# Allegro board RK3588S_Template_LP5D315P232SD10H2_42x42_2750MHz_1R2_V10_20220413YWQ.brd (continued)
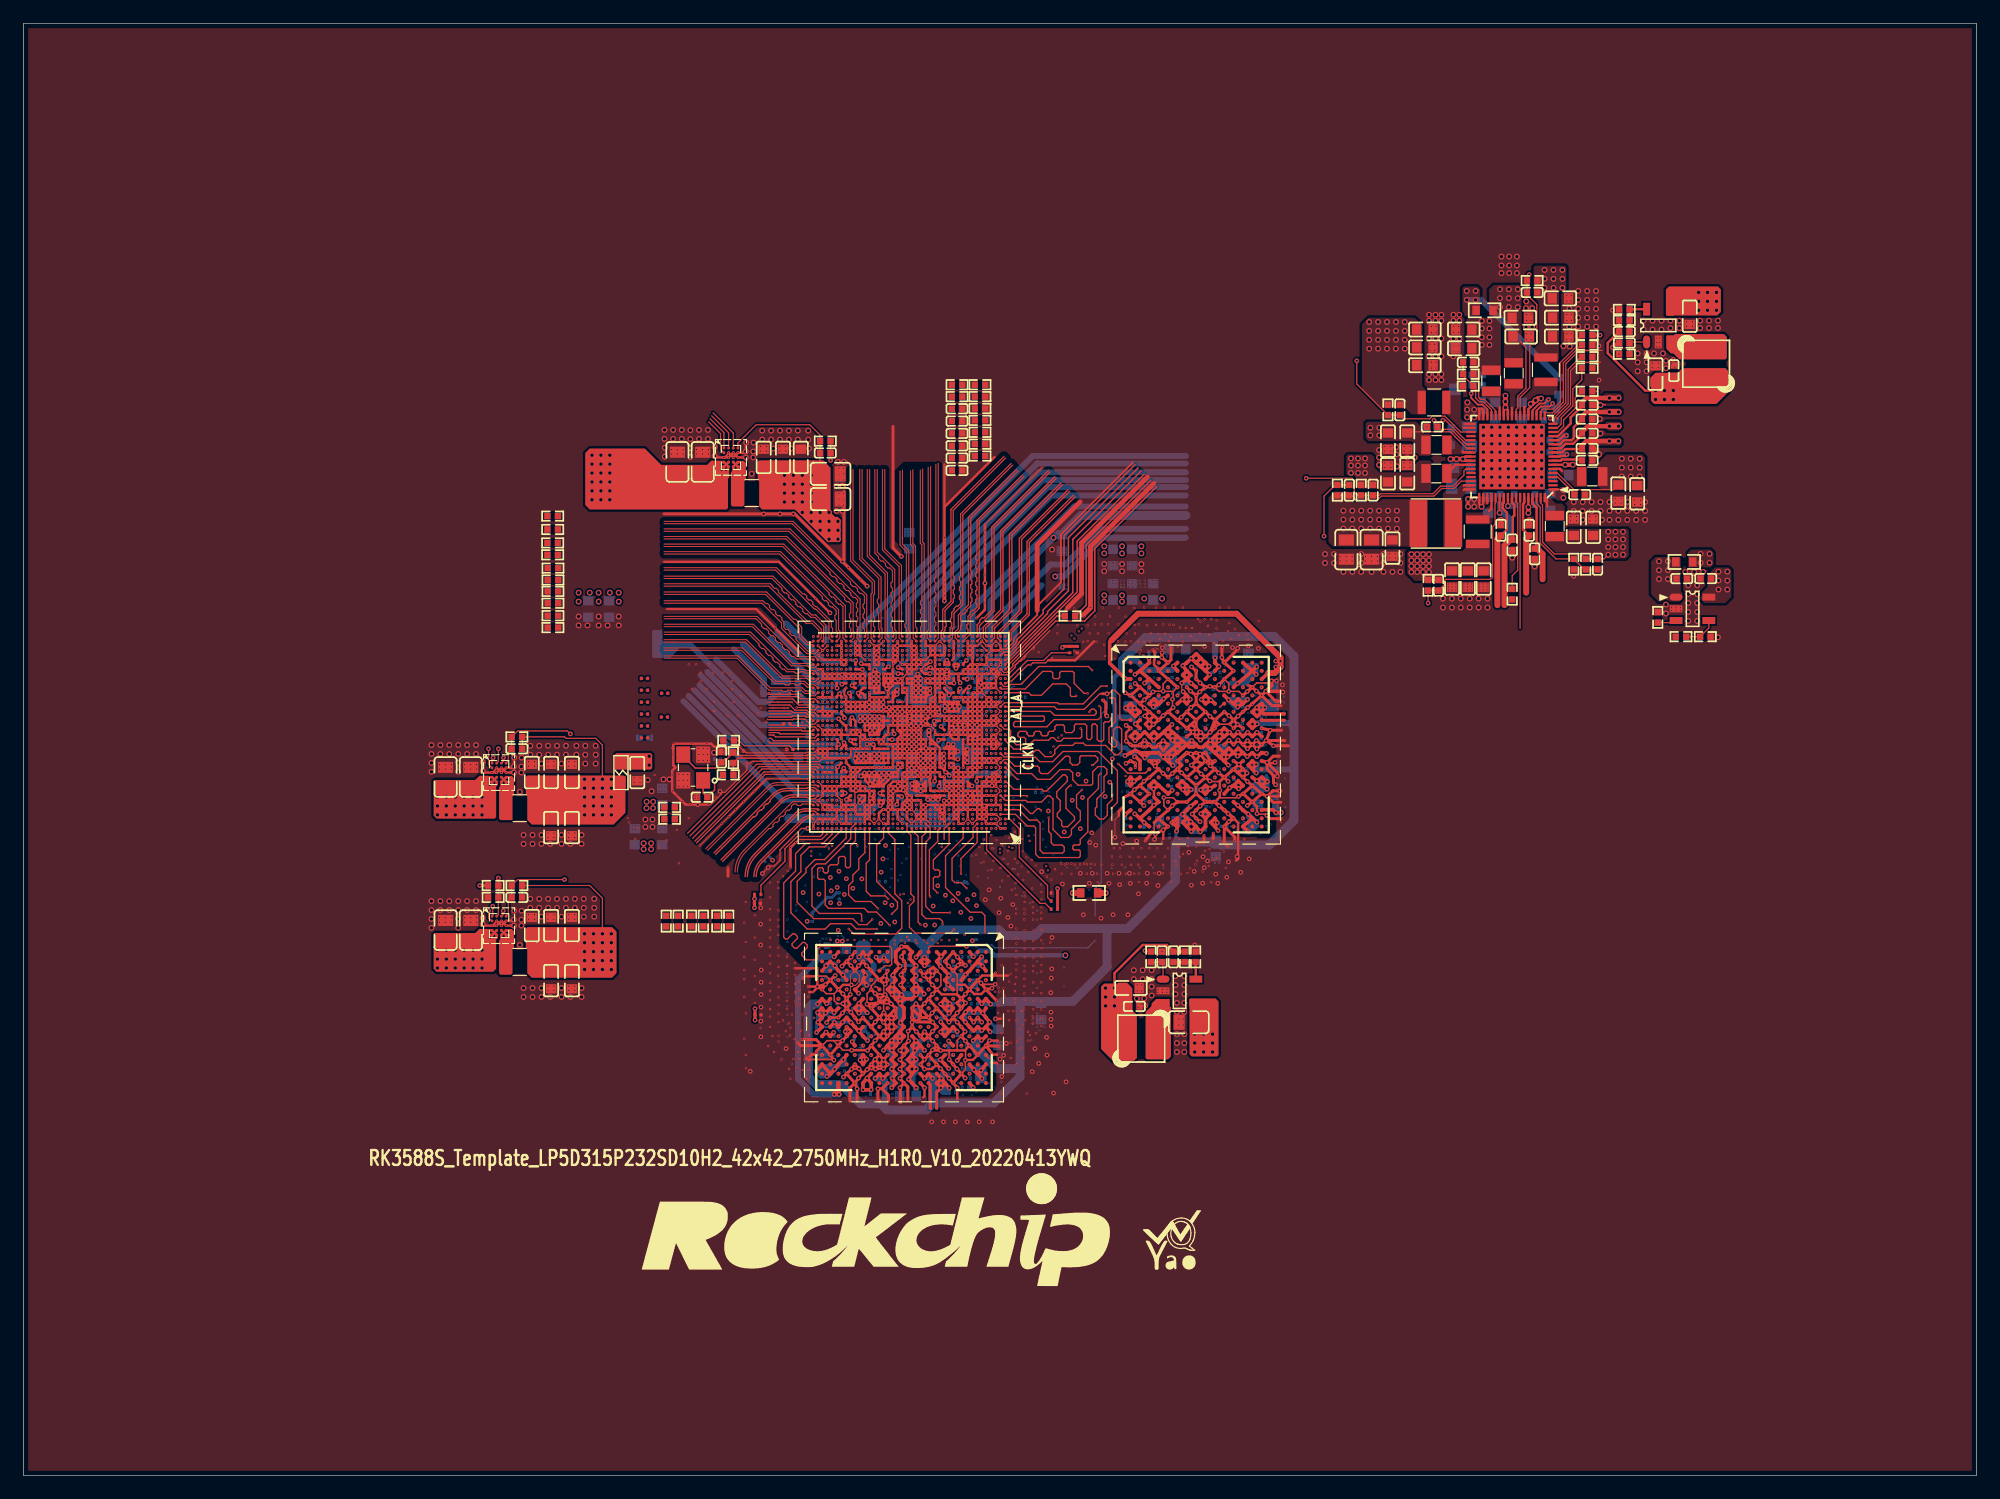
[diagram p0: board, top side]
## Routing (per net, layer and track width the routed paths; a pad name or vN(x,y) marks a point on that pad's centre or on a via; arc(x,y) is an arc through that point) (continued)
  BOTTOM w0.406: 93.29,62.66 93.16,62.79 93.16,64.65 93.24,64.73 93.24,65.83 93.19,65.88 93.19,68.2 93.73,68.73 93.73,69.47 93.9,69.65
  BOTTOM w0.508: 73.14,34 73.37,34 v1(73.43,33.94) ; v1(73.43,33.94) 73.59,33.78 73.59,31.44 ; v1(73.43,33.94) v1(72.79,33.94) ; 93.29,64.78 93.29,62.66 93.76,62.19 ; 93.29,64.78 93.24,64.73 ; 93.29,64.78 94.75,64.78 ; 105.49,64.3 108.14,64.3 108.54,63.9 ; 93.9,69.65 95.1,69.65 95.91,68.83 98.12,68.83 ; 105.4,60.33 108.51,60.33 108.54,60.37 ; 101.87,71.62 101.81,71.56 v1(101.81,69.89)
  BOTTOM w0.762: 92.6,46.74 92.6,43.46 89.65,40.51 87.12,40.51 ; 92.6,46.74 94.36,46.74 98.41,50.78 98.41,53.93 98.63,54.15 101.55,54.15 101.78,53.93 101.88,54.03 C3900.1 ; 92.6,46.74 87.01,46.74 86.42,46.14 83.83,46.14 83.34,46.63 78.51,46.63 77,45.12 ; 85.15,40.51 85.15,34.07 82.91,31.83 77.72,31.83 ; 85.15,40.51 87.12,40.51 ; 85.15,40.51 83.68,40.51 83.6,40.44 ; C3950.1 87.12,40.51 ; 77,45.12 76.17,45.95 74.82,45.95 74.34,45.47 74.34,44.75 73.85,44.26 v1(73.52,44.26) ; 77,45.12 v1(77,44.29) ; 77.72,31.83 77.13,31.24 73.79,31.24 73.27,31.76 71.54,31.76 69.95,33.35 69.77,33.35 69.72,33.41 67.76,33.41 67.07,34.1 67.07,35.68 67.07,35.69 67.07,36.25 67.07,36.25 67.07,37.2 67.04,37.24 67.04,39.92 67.42,40.3 v1(67.85,40.3) ; 77.72,31.83 77.67,31.89 77.67,33.92 v1(77.69,33.94) ; 93.9,69.65 95.87,71.62 101.87,71.62 101.95,71.7 106.86,71.7 108.54,70.02 108.54,55.97 106.46,53.88 102.31,53.88 102.08,54.1 ; 85.1,34.78 83.16,34.78 81.72,36.22 81.45,36.22
  vias: v2(92.46,41.66) v2(92.46,40.89) v2(92.46,40.13) v2(93.22,40.89) v2(93.22,40.13)
VDD_0V75_S3: length 25.1
  TOP w0.203: C2255.1 133.15,91.37 132.2,90.41 132.2,89.89 131.12,88.82 U2200.14 ; U1000.AJ37 69.49,66.57 v1(69.72,66.8) 69.72,66.75 69.89,66.58 U1000.AJ36
  TOP w0.381: v2(136.29,92.08) v2(135.51,92.08) 133.53,92.08 133.15,91.69 C2255.1
  L8-S3 w0.279: 69.03,66.84 69.68,66.84 v1(69.72,66.8)
  L8-S3 w0.305: 68.61,66.42 69.03,66.84
  L8-S3 w0.508: 68.61,66.42 65.15,66.42 57.57,74
  BOTTOM w0.254: 69.27,66.34 v1(69.72,66.8) 69.93,67.01
  BOTTOM w0.279: C1125.1 69.27,66.34 ; 69.93,67.01 C1105.1
VDD_CPU_BIG0_S0: length 90.1
  TOP w0.102: v1(46.23,50.93) 42.22,50.93 R2300.2 C2306.2 41.43,49.12 41.43,47.98 U2300.A4 ; C2306.1 R2300.1 48.39,50.42 49.47,49.34 v2(49.47,46.29)
  TOP w0.203: U1000.M30 72.29,59.03 ; U1000.M30 72.29,60.01 v1(72.27,60.04) ; U1000.M30 71.93,59.7 ; U1000.M30 U1000.M29 ; 72.29,59.03 U1000.K30 U1000.K29 ; 72.29,59.03 v1(72.35,59.09) ; U1000.M28 73.09,58.94 ; U1000.M28 72.74,59.7 ; U1000.M28 73.09,59.98 73.06,60.01 ; U1000.M28 73.15,59.64 v1(73.46,59.64) ; 73.09,58.94 v1(72.8,59.23) ; 73.09,58.94 U1000.K28 ; v1(74.73,60.53) 74.73,60.13 v3(74.7,60.1) 73.89,60.1 ; v1(74.73,60.53) 74.69,60.56 U1000.R24 U1000.R23 U1000.P23 ; v1(74.73,60.53) 74.75,60.5 U1000.P23 ; v1(71.86,60.04) 71.82,60.04 v1(71.55,59.77) 71.62,59.7 71.89,59.7 ; v1(71.86,60.04) v1(72.27,60.04) ; v1(71.86,60.04) 71.89,60.01 71.89,59.7 ; v1(72.27,60.04) 72.28,60.05 v1(72.69,60.05) ; v1(72.27,60.04) 71.93,59.7 ; 72.69,59.12 v1(72.8,59.23) ; 72.69,59.12 U1000.M29 ; 72.69,59.12 U1000.K29 ; v1(72.8,59.23) 73.17,59.23 ; v1(72.8,59.23) 72.49,59.23 v1(72.35,59.09) ; U1000.M29 72.69,59.7 v1(72.69,60.05) ; U1000.M29 72.74,59.7 ; U1000.P23 75.09,60.5 v3(75.06,60.5) ; v1(72.35,59.09) 72.23,59.09 71.93,59.39 71.93,59.7 ; 71.89,59.7 71.93,59.7 ; 73.06,60.01 72.74,59.7 ; 73.06,60.01 73.09,60.01 v1(73.13,60.05) ; v1(72.69,60.05) v1(73.13,60.05) ; v1(73.46,59.64) v1(73.9,59.64) ; v1(73.46,59.64) 73.53,59.72 v1(73.53,60.05) ; v1(73.46,59.64) 73.46,59.43 73.25,59.23 73.17,59.23 ; v1(73.13,60.05) v1(73.53,60.05) ; U1000.N25 U1000.N24 U1000.M24 U1000.M25 ; U1000.N25 U1000.M25 ; U1000.N25 73.89,60.1 ; 73.89,60.1 73.93,60.06 ; U1000.M25 74.1,59.7 74.04,59.64 v1(73.9,59.64) ; U1000.K27 73.17,59.23 ; U1000.K27 73.49,59.01 73.9,59.42 v1(73.9,59.64) ; U1000.K27 U1000.K28 ; 73.93,60.06 v1(73.95,60.06) 73.9,60.01 v1(73.9,59.64) ; 73.93,60.06 73.54,60.06 v1(73.53,60.05) ; U1000.K29 U1000.K28
  L2-GND1 w0.254: v3(74.7,60.1) 74.73,60.13 v1(74.73,60.53) 74.75,60.5 v3(75.06,60.5)
  L2-GND1 w0.305: v1(73.53,60.05) 73.46,59.97 v1(73.46,59.64) v1(73.9,59.64) 73.95,59.69 v1(73.95,60.06) 73.94,60.05 v1(73.53,60.05) ; v1(73.53,60.05) v1(73.13,60.05) v1(72.69,60.05) 72.69,60.04 v1(72.27,60.04) v1(71.86,60.04) 71.82,60.04 v1(71.55,59.77)
  L3-S1 w0.203: v3(75.06,60.5) 75.06,60.17 v4(75.03,60.15) 74.98,60.1 v3(74.7,60.1) 74.7,60.5 v1(74.73,60.53) 75.03,60.53 v3(75.06,60.5)
  L3-S1 w0.305: v1(73.95,60.06) 73.54,60.06 v1(73.53,60.05) ; v1(73.53,60.05) v1(73.13,60.05) v1(72.69,60.05) 72.28,60.05 v1(72.27,60.04) v1(71.86,60.04) 71.59,59.77 v1(71.55,59.77) ; v1(73.53,60.05) 73.53,59.72 v1(73.46,59.64) v1(73.9,59.64) ; v1(72.8,59.23) 72.67,59.09 v1(72.35,59.09)
  L5-POWER2 w0.102: v1(46.23,50.93) 46.23,51.41 49.27,54.45 54.12,54.45 56.65,56.98 60.94,56.98 64.19,60.22 69.06,60.22 69.47,59.82 ; v1(73.95,60.06) 73.93,60.06 73.91,60.07 73.56,60.07 v1(73.53,60.05)
  L6-S2 w0.203: v1(73.95,60.06) 74.26,60.06 v1(74.73,60.53)
  L8-S3 w0.305: v1(73.53,60.05) 73.46,59.97 v1(73.46,59.64) v1(73.9,59.64) 73.95,59.69 v1(73.95,60.06) 73.93,60.04 v1(72.27,60.04) v1(71.86,60.04) 71.59,59.77 v1(71.55,59.77) ; v4(75.03,60.15) 75.03,60.22 v1(74.73,60.53)
  L9-GND3 w0.305: v1(73.53,60.05) 73.46,59.97 v1(73.46,59.64) v1(73.9,59.64) 73.95,59.69 v1(73.95,60.06) 73.93,60.04 v1(72.27,60.04) v1(71.86,60.04) 71.59,59.77 v1(71.55,59.77) ; v1(72.8,59.23) 72.67,59.09 v1(72.35,59.09)
  BOTTOM w0.102: v1(72.69,60.05) 72.36,59.71 71.88,59.71
  BOTTOM w0.203: v1(74.73,60.53) 74.73,60.14 74.59,59.99
  BOTTOM w0.305: v1(73.95,60.06) 73.98,60.03 74,60.03 74.04,59.99 74.46,59.99
  vias: v2(47.94,46.29) v2(47.94,45.53) v2(47.94,44.77) v2(47.94,44.01) v2(47.94,43.24) v2(48.71,46.29) v2(48.71,45.53) v2(48.71,44.77) v2(48.71,44.01) v2(48.71,43.24) v2(49.47,45.53) v2(49.47,44.77) v2(49.47,44.01) v2(49.47,43.24) v2(50.23,46.29) v2(50.23,45.53) v2(50.23,44.77) v2(50.23,44.01) v2(50.23,43.24) v2(53,54.03) v2(53,53.52) v2(53.63,54.03) v2(53.63,53.52)
VDD_CPU_BIG1_MEM_S0: length 3.6
  TOP w0.203: U1000.V26 U1000.V27 U1000.V28 U1000.V29 72.69,62.39 v1(72.62,62.46) 72.58,62.5 v1(72.09,62.5)
  L2-GND1 w0.305: v1(72.62,62.46) 72.58,62.5 v1(72.09,62.5)
  L3-S1 w0.305: v1(72.62,62.46) 72.58,62.5 v1(72.09,62.5)
  L8-S3 w0.203: v5(59.56,61.21) v4(59.94,61.21)
  vias: v2(53.47,61.47) v2(53.47,60.71)
VDD_CPU_BIG1_S0: length 89.4
  TOP w0.102: v2(49.47,59.5) 49.47,62.42 48.89,62.99 46.35,62.99 46.23,63.12 42.61,63.12 C2310.1 ; U2301.A4 41.43,61.06 41.43,61.82 C2310.2 R2301.2 42.22,63.63 46.48,63.63 v1(46.74,63.37)
  TOP w0.203: U1000.R31 U1000.R32 ; U1000.R31 U1000.R30 ; U1000.R31 71.98,60.99 v1(71.98,61.26) ; U1000.R32 71.58,60.99 v1(71.58,61.26) ; U1000.R32 U1000.R33 ; U1000.R33 71.2,61 71.2,61.26 ; U1000.R33 71.09,61.15 71.07,61.18 71.07,61.23 ; v1(73.13,61.67) 73.13,61.67 73.16,61.7 73.48,61.7 ; v1(73.13,61.67) 73.13,61.29 ; v1(73.13,61.67) v1(72.69,61.67) ; U1000.R30 72.34,60.95 72.34,61.26 ; U1000.R30 U1000.R29 ; 73.48,61.7 U1000.U26 U1000.T26 ; 73.48,61.7 73.48,61.3 ; v1(71.58,61.26) 71.58,61.27 v1(71.58,61.67) ; v1(71.58,61.26) 71.2,61.26 ; v1(71.58,61.26) 71.58,61.26 v1(71.98,61.26) ; v1(71.98,61.26) 71.99,61.26 ; 73.13,61.29 v1(73.1,61.26) ; 73.13,61.29 73.14,61.3 73.48,61.3 ; 73.48,61.3 73.49,61.29 U1000.R27 ; 73.48,61.3 U1000.T26 ; v1(71.99,61.66) 71.99,61.26 ; v1(71.99,61.66) 71.59,61.66 v1(71.58,61.67) ; v1(71.99,61.66) 72.34,61.66 ; 71.99,61.26 71.99,61.26 72.34,61.26 ; 71.2,61.67 v1(71.58,61.67) ; 71.2,61.67 71.2,61.26 ; 71.2,61.67 71.17,61.64 71.17,61.62 71.07,61.52 71.07,61.23 71.07,61.23 ; v1(72.69,61.67) 72.69,61.66 72.34,61.66 ; v1(72.69,61.67) v1(72.69,61.26) ; U1000.R29 U1000.R28 ; U1000.R29 72.69,60.9 v1(72.69,61.26) ; 72.34,61.26 v1(72.69,61.26) ; 72.34,61.26 72.34,61.66 ; 71.2,61.26 71.11,61.26 71.07,61.23 ; U1000.R28 U1000.R27 ; U1000.R28 73.1,60.91 v1(73.1,61.26) ; U1000.R27 U1000.R26 U1000.T26 ; v1(72.69,61.26) v1(73.1,61.26)
  L2-GND1 w0.305: v1(71.58,61.26) v1(71.07,61.26) 71.17,61.37 v1(71.17,61.67) v1(71.58,61.67) ; v1(71.58,61.26) 71.58,61.27 v1(71.58,61.67) ; v1(71.58,61.26) 71.98,61.26 v1(71.98,61.26) 71.99,61.26 v1(71.99,61.66) 71.59,61.66 v1(71.58,61.67) ; v1(73.1,61.26) v1(72.69,61.26) v1(72.69,61.67) v1(73.13,61.67) 73.13,61.29 v1(73.1,61.26)
  L3-S1 w0.305: v1(71.58,61.26) 71.58,61.66 v1(71.58,61.67) ; v1(71.58,61.26) v1(71.07,61.26) 71.07,61.57 v1(71.17,61.67) v1(71.58,61.67) ; v1(71.58,61.26) 71.98,61.26 v1(71.98,61.26) 71.99,61.26 v1(71.99,61.66) 71.59,61.66 v1(71.58,61.67) ; v1(73.13,61.67) v1(72.69,61.67) v1(72.69,61.26) v1(73.1,61.26) 73.13,61.29 v1(73.13,61.67)
  L5-POWER2 w0.102: v1(46.74,63.37) 46.76,63.35 46.76,56.49 48.59,54.66 54.04,54.66 57.06,57.68 57.89,57.68 58.24,57.33 61,57.33 64.1,60.43 68.83,60.43 69.63,61.23 71.07,61.23
  L6-S2 w0.305: v1(72.69,61.67) v1(73.13,61.67) 73.13,61.29 v1(73.1,61.26) v1(72.69,61.26) ; v1(72.69,61.67) 72.69,61.66 v1(71.99,61.66) ; v1(72.69,61.67) v1(72.69,61.26) ; v1(71.99,61.66) 71.98,61.67 v1(71.58,61.67) ; v1(71.99,61.66) 71.99,61.26 ; 71.99,61.26 v1(71.98,61.26) 71.58,61.26 v1(71.58,61.26) ; 71.99,61.26 71.99,61.26 v1(72.69,61.26) ; v1(71.58,61.26) v1(71.07,61.26) 71.17,61.37 v1(71.17,61.67) v1(71.58,61.67) ; v1(71.58,61.26) 71.58,61.27 v1(71.58,61.67)
  L9-GND3 w0.305: v1(71.58,61.67) v1(71.17,61.67) 71.17,61.37 v1(71.07,61.26) v1(71.58,61.26) ; v1(71.58,61.67) 71.58,61.27 v1(71.58,61.26) ; v1(71.58,61.67) 71.98,61.67 v1(71.99,61.66) 71.99,61.26 v1(71.98,61.26) 71.98,61.26 v1(71.58,61.26) ; v1(72.69,61.26) v1(73.1,61.26) 73.1,61.64 v1(73.13,61.67) v1(72.69,61.67) v1(72.69,61.26)
  vias: v2(47.94,59.5) v2(47.94,58.74) v2(47.94,57.98) v2(47.94,57.21) v2(47.94,56.45) v2(48.71,59.5) v2(48.71,58.74) v2(48.71,57.98) v2(48.71,57.21) v2(48.71,56.45) v2(49.47,58.74) v2(49.47,57.98) v2(49.47,57.21) v2(49.47,56.45) v2(50.23,59.5) v2(50.23,58.74) v2(50.23,57.98) v2(50.23,57.21) v2(50.23,56.45) v2(53.23,57.03) v2(53.25,57.58) v2(53.81,57.58) v2(53.79,57.03) v5(67.06,61.59) v5(67.06,61.34) v5(67.06,61.09) v5(67.31,61.59) v5(67.31,61.34) v5(67.31,61.09) v5(67.56,61.59) v5(67.56,61.34) v5(67.56,61.09) v5(67.82,61.34) v5(67.82,61.09)
VDD_CPU_LIT_S0: length 142.8
  TOP w0.102: U2200.37 122.8,89.17 121.44,90.52 120.38,90.52 120.15,90.3 117.92,90.3 C2221.2 R2219.1 113.92,93.28 v1(113.92,95.25)
  TOP w0.203: v1(72.32,64.46) 72.29,64.43 U1000.AC30 ; v1(72.32,64.46) v1(72.73,64.46) ; v1(72.32,64.46) v1(72.32,64.86) ; v1(72.32,64.46) v1(71.91,64.46) ; v1(72.34,63.67) 71.92,63.67 U1000.AB31 U1000.AC31 ; v1(72.34,63.67) 72.29,63.72 U1000.AC30 ; v1(72.34,63.67) v1(72.75,63.67) ; v1(72.34,63.67) 72.29,63.62 U1000.AA30 U1000.AA29 ; U1000.AD26 U1000.AD27 ; U1000.AD27 73.17,64.5 v1(73.13,64.46) ; U1000.AD27 U1000.AC27 ; U1000.AD27 U1000.AE27 73.17,64.9 v1(73.13,64.86) ; 73.09,63.32 v1(72.75,63.67) ; 73.09,63.32 U1000.AA28 U1000.AA29 ; 73.09,63.32 U1000.AC28 ; v1(72.75,63.67) 72.69,63.62 U1000.AA29 ; v1(72.75,63.67) 73.2,63.67 73.49,63.97 U1000.AC27 ; v1(72.75,63.67) 72.69,63.72 U1000.AC29 ; v1(73.13,64.46) v1(72.73,64.46) ; v1(73.13,64.46) 73.09,64.42 U1000.AC28 ; v1(73.13,64.46) v1(73.13,64.86) ; U1000.AC31 71.89,64.44 v1(71.91,64.46) ; U1000.AC31 U1000.AC30 ; U1000.AC29 72.69,64.42 v1(72.73,64.46) ; U1000.AC29 U1000.AC30 ; U1000.AC29 U1000.AC28 ; v1(72.32,64.86) v1(71.91,64.86) ; v1(72.32,64.86) v1(72.73,64.86) ; v1(71.91,64.86) v1(71.51,64.86) v1(71.51,64.46) v1(71.91,64.46) ; v1(71.91,64.86) v1(71.91,64.46) ; v1(72.73,64.86) v1(72.73,64.46) ; v1(72.73,64.86) v1(73.13,64.86) ; U1000.AC27 U1000.AC28
  L2-GND1 w0.305: v1(72.73,64.46) v1(73.13,64.46) v1(73.13,64.86) v1(72.73,64.86) ; v1(72.73,64.46) v1(72.32,64.46) ; v1(72.73,64.46) v1(72.73,64.86) ; v1(72.32,64.86) v1(72.32,64.46) ; v1(72.32,64.86) v1(71.91,64.86) ; v1(72.32,64.86) v1(72.73,64.86) ; v1(72.32,64.46) v1(71.91,64.46) ; v1(71.91,64.86) v1(71.51,64.86) v1(71.51,64.46) v1(71.91,64.46) ; v1(71.91,64.86) v1(71.91,64.46)
  L3-S1 w0.305: v1(72.73,64.86) v1(73.13,64.86) v1(73.13,64.46) v1(72.73,64.46) ; v1(72.73,64.86) v1(72.32,64.86) ; v1(72.73,64.86) v1(72.73,64.46) ; v1(72.73,64.46) v1(72.32,64.46) ; v1(71.91,64.46) v1(71.51,64.46) v1(71.51,64.86) v1(71.91,64.86) ; v1(71.91,64.46) v1(71.91,64.86) ; v1(71.91,64.46) v1(72.32,64.46) ; v1(71.91,64.86) v1(72.32,64.86) ; v1(72.32,64.86) v1(72.32,64.46)
  L4-POWER1 w0.305: v1(72.32,64.86) v1(72.73,64.86) ; v1(72.32,64.86) v1(72.32,64.46) ; v1(72.32,64.86) v1(71.91,64.86) ; v1(72.73,64.86) v1(73.13,64.86) v1(73.13,64.46) v1(72.73,64.46) ; v1(72.73,64.86) v1(72.73,64.46) ; v1(72.32,64.46) v1(71.91,64.46) ; v1(72.32,64.46) v1(72.73,64.46) ; v1(71.91,64.86) v1(71.51,64.86) v1(71.51,64.46) v1(71.91,64.46) ; v1(71.91,64.86) v1(71.91,64.46)
  L5-POWER2 w0.102: v1(113.92,95.25) 74.68,95.25 70.36,90.93 70.36,88.77 68.28,86.69 64.34,86.69 59.69,82.04 59.69,72.74 65.42,67.01 68.25,67.01 69.29,65.96 70.31,65.96 71.41,64.86 v1(71.51,64.86)
  L8-S3 w0.305: v1(71.91,64.46) v1(72.32,64.46) ; v1(71.91,64.46) v1(71.51,64.46) v1(71.51,64.86) v1(71.91,64.86) ; v1(71.91,64.46) v1(71.91,64.86) ; v1(72.32,64.46) v1(72.32,64.86) ; v1(72.32,64.46) v1(72.73,64.46) ; v1(71.91,64.86) v1(72.32,64.86) ; v1(72.32,64.86) v1(72.73,64.86) ; v1(72.73,64.46) v1(73.13,64.46) v1(73.13,64.86) v1(72.73,64.86) ; v1(72.73,64.46) v1(72.73,64.86)
  L9-GND3 w0.305: v1(72.32,64.86) v1(72.32,64.46) ; v1(72.32,64.86) v1(72.73,64.86) ; v1(72.32,64.86) v1(71.91,64.86) ; v1(72.32,64.46) v1(71.91,64.46) ; v1(72.32,64.46) v1(72.73,64.46) ; v1(72.73,64.46) v1(73.13,64.46) v1(73.13,64.86) v1(72.73,64.86) ; v1(72.73,64.46) v1(72.73,64.86) ; v1(71.91,64.86) v1(71.91,64.46) ; v1(71.91,64.86) v1(71.51,64.86) v1(71.51,64.46) v1(71.91,64.46)
  BOTTOM w0.305: 71.71,65.1 71.71,65.07 v1(71.91,64.86) ; 72.31,63.98 72.31,63.71 v1(72.34,63.67) v1(72.75,63.67)
  vias: v2(47.43,75.44) v2(47.43,74.68) v2(48.39,75.44) v2(49.15,75.44) v2(49.15,74.68) v2(50.1,75.44) v2(50.86,75.44) v2(50.86,74.68) v2(114.98,98.57) v2(114.98,97.81) v2(114.98,97.05) v2(114.98,96.28) v2(115.74,98.57) v2(115.74,97.81) v2(115.74,97.05) v2(115.74,96.28) v2(116.5,98.57) v2(116.5,97.81) v2(116.5,97.05) v2(116.5,96.28) v2(117.26,98.57) v2(117.26,97.81) v2(117.26,97.05) v2(117.26,96.28) v2(118.03,98.57) v2(118.03,97.81) v2(118.03,97.05) v2(118.03,96.28)
VDD_DDR_S0: length 112.7
  TOP w0.102: U2200.46 123.24,86.02 123.08,85.85 123.08,85.49 122.14,84.54 121.09,84.54 120.44,83.9 115.94,83.9 115.79,83.75 C9922.2 R2200.2 113.99,83.75 113.71,84.03 113.71,84.99 113.48,85.22 v1(109.6,85.22)
  TOP w0.203: U1000.V12 79.63,62.1 79.8,61.93 79.83,61.93 79.86,61.9 ; U1000.V12 U1000.V13 ; U1000.V12 U1000.U12 ; U1000.V12 79.49,62.34 79.44,62.39 79.44,62.45 ; U1000.V13 U1000.V14 78.69,62.14 v1(79.03,62.48) 79.03,62.39 79.09,62.33 U1000.V13 ; U1000.V13 U1000.U13 ; U1000.V13 79.13,62.14 79.16,62.14 79.34,62.32 79.34,62.34 79.44,62.45 ; 79.44,62.45 v1(79.44,62.48) ; U1000.U12 79.63,61.7 79.74,61.81 79.74,61.81 79.83,61.9 79.86,61.9 ; U1000.U12 U1000.T12 ; U1000.U12 U1000.U13 ; U1000.U13 U1000.T13 U1000.T12 ; v1(76.68,58.9) 77.09,58.9 U1000.K18 ; v1(76.68,58.9) 77.08,59.3 U1000.L18 U1000.K18 ; v1(76.68,58.9) 76.68,58.9 U1000.K20 ; v1(76.68,58.9) 76.68,58.53 v1(76.66,58.5) ; v1(76.68,58.9) 76.29,59.29 ; U1000.T12 79.58,61.21 v1(79.83,61.21) ; U1000.K20 76.15,58.9 ; U1000.K20 U1000.J20 ; U1000.K20 76.29,59.29 ; 79.86,61.9 v1(79.84,61.89) ; v1(76.66,58.5) U1000.J20 ; v1(76.66,58.5) U1000.J18 U1000.K18 ; 76.15,58.9 v1(75.93,59.12) ; 76.15,58.9 76.11,58.9 v1(75.93,58.72) ; v1(75.93,58.72) 76.14,58.5 U1000.J20 ; v1(75.93,58.72) v1(75.93,59.12) ; v1(75.93,59.12) 76.1,59.3 U1000.L20 76.29,59.29
  L2-GND1 w0.305: v1(76.68,58.9) 76.68,58.53 v1(76.66,58.5) ; v1(79.44,62.48) v1(79.03,62.48) ; v1(75.93,59.12) v1(75.93,58.72)
  L3-S1 w0.102: v1(109.6,85.22) 109.73,85.09 109.73,56.52 102.49,49.28 91.44,49.28 v4(91.31,49.4)
  L3-S1 w0.305: v1(76.68,58.9) 76.68,58.53 v1(76.66,58.5) v4(76.66,58.08) ; v4(75.95,58.29) 75.93,58.31 v1(75.93,58.72) v1(75.93,59.12) ; v1(79.83,61.21) 79.84,61.23 v1(79.84,61.89) ; v1(79.44,62.48) v1(79.03,62.48)
  L5-POWER2 w0.102: 81.15,60.45 81.15,60.65 81.11,60.7 81.11,62.21 81.63,62.74 84.96,62.74 85.47,62.23 85.47,56.8 91.43,50.84 91.43,49.52 v4(91.31,49.4)
  L8-S3 w0.305: v1(76.68,58.9) 76.68,58.53 v1(76.66,58.5) v4(76.66,58.08) ; v1(79.84,61.89) 79.83,61.87 v1(79.83,61.21) ; v1(75.93,59.12) v1(75.93,58.72) 75.93,58.31 v4(75.95,58.29) ; v1(79.44,62.48) v1(79.03,62.48)
  L9-GND3 w0.305: v1(79.84,61.89) 79.84,61.23 v1(79.83,61.21) ; v1(75.93,58.72) v1(75.93,59.12) ; v1(76.66,58.5) 76.68,58.53 v1(76.68,58.9) ; v1(79.44,62.48) v1(79.03,62.48)
  BOTTOM w0.254: 75.82,58.72 v1(75.93,58.72) ; v1(75.93,58.72) 76.17,58.47 76.17,58.44 76.6,58.44 v1(76.66,58.5) 76.66,58.88 v1(76.68,58.9) 76.66,58.9 ; v1(75.93,58.72) v1(75.93,59.12)
  BOTTOM w0.305: 77.06,59.34 77.06,59.28 v1(76.68,58.9)
  vias: v2(113.42,86.91) v2(113.42,86.3) v2(113.42,85.67) v2(114.03,86.91) v2(114.03,86.3) v2(114.03,85.67) v2(114.63,86.91) v2(114.63,86.3) v2(114.63,85.67) v4(88.39,48.77) v4(88.39,48.26) v4(88.39,47.75) v4(88.9,48.77) v4(88.9,48.26) v4(88.9,47.75) v4(89.41,48.77) v4(89.41,48.26) v4(89.41,47.75)
VDD_GPU_S0: length 108.5
  TOP w0.102: C2209.1 R2208.2 112.08,84.65 111.12,83.69 v1(111.12,80.26) ; U2200.49 122.85,84.97 122.22,84.34 121.17,84.34 120.52,83.69 116.02,83.69 115.65,83.32 113.91,83.32 113.48,83.75 C2209.2 R2208.1
  TOP w0.203: v1(76.25,67.29) 76.27,67.3 v1(76.66,67.3) ; v1(76.25,67.29) 76.24,67.3 ; v1(76.25,67.29) 76.25,66.88 ; v1(76.66,67.3) 76.66,67.31 76.64,67.33 76.64,67.68 v1(76.66,67.71) ; v1(76.66,67.3) U1000.AL18 ; v1(76.66,67.3) v1(76.66,66.88) ; U1000.AL18 U1000.AK18 ; U1000.AL18 77.41,67.3 v1(77.45,67.26) v1(77.45,66.85) ; U1000.AK18 76.68,66.9 v1(76.66,66.88) ; U1000.AK18 77.4,66.9 v1(77.45,66.85) ; U1000.AK18 U1000.AJ18 ; v3(75.89,66.9) 75.91,66.88 76.25,66.88 v1(76.25,66.88) ; v3(75.89,66.9) v3(75.89,67.3) ; v3(75.89,66.9) v7(75.89,66.5) ; v1(76.23,68.1) 76.23,68.1 76.25,68.12 v1(76.66,68.12) ; v1(76.23,68.1) 76.23,68.31 v1(76.4,68.48) 76.66,68.22 v1(76.66,68.12) ; v1(76.23,68.1) U1000.AN21 ; v1(76.23,68.1) 76.23,68.1 76.23,67.74 76.25,67.72 v1(76.25,67.7) ; v1(76.66,68.12) 76.65,68.1 76.65,67.72 v1(76.66,67.71) ; U1000.AH19 v7(75.89,66.1) v7(75.89,66.5) ; U1000.AH19 U1000.AH18 U1000.AJ18 ; U1000.AH19 U1000.AJ19 ; v1(77.45,66.85) 77.1,66.5 U1000.AJ18 ; v1(76.25,67.7) 76.22,67.7 U1000.AM21 ; v1(76.25,67.7) 76.26,67.71 v1(76.66,67.71) ; v1(76.25,67.7) 76.23,67.68 76.23,67.31 76.24,67.3 ; U1000.AN21 U1000.AN22 U1000.AM22 U1000.AM21 ; U1000.AN21 U1000.AM21 ; v3(75.89,67.3) U1000.AM21 ; v3(75.89,67.3) 76.24,67.3 ; U1000.AJ20 76.25,66.54 v1(76.25,66.88) ; U1000.AJ20 U1000.AJ19 ; U1000.AJ20 v7(75.89,66.5) ; U1000.AJ20 U1000.AH20 ; U1000.AJ19 U1000.AJ18 ; U1000.AJ19 76.69,66.85 v1(76.66,66.88) ; v1(76.66,66.88) 76.25,66.88 76.25,66.88 ; 76.25,66.88 v1(76.25,66.88)
  L2-GND1 w0.305: v1(76.25,67.29) 76.25,66.88 v1(76.25,66.88) ; v1(76.25,67.29) 76.27,67.3 v1(76.66,67.3) ; v1(76.25,67.29) 76.24,67.3 ; 76.24,67.3 v3(75.89,67.3) v3(75.89,66.9) ; 76.24,67.3 76.23,67.31 v1(76.23,68.1) 76.23,68.31 v1(76.4,68.48) 76.4,68.37 v1(76.66,68.12) v1(76.66,67.71) ; v1(76.25,67.7) 76.26,67.71 v1(76.66,67.71) ; v1(76.25,66.88) 75.91,66.88 v3(75.89,66.9) ; v1(76.25,66.88) 76.66,66.88 v1(76.66,66.88) v1(76.66,67.3) ; v3(75.89,66.9) v7(75.89,66.5) v7(75.89,66.1) ; v1(76.66,67.3) v1(76.66,67.71) ; v1(77.45,66.85) v1(77.45,67.26)
  L3-S1 w0.102: 75.64,67.11 75.83,67.3 v3(75.89,67.3) ; 75.59,67 75.69,66.9 v3(75.89,66.9)
  L3-S1 w0.203: v1(76.23,68.1) 76.23,68.1 76.65,68.1 v1(76.66,68.12) ; v1(76.23,68.1) 76.23,68.1 76.25,68.08 v1(76.25,67.7) ; v1(76.23,68.1) 76.23,68.31 v1(76.4,68.48) 76.66,68.22 v1(76.66,68.12) ; v1(76.66,68.12) v1(76.66,67.71) ; v1(76.66,67.71) 76.65,67.7 v1(76.25,67.7) ; v1(76.66,67.71) v1(76.66,67.3) ; v1(76.25,66.88) 76.23,66.9 v3(75.89,66.9) ; v1(76.25,66.88) 76.66,66.88 v1(76.66,66.88) v1(76.66,67.3) ; v1(76.25,66.88) 76.25,66.88 v1(76.25,67.29) ; v1(76.25,67.29) 75.91,67.29 v3(75.89,67.3) 76.25,67.66 v1(76.25,67.7) ; v1(76.25,67.29) 76.25,67.7 v1(76.25,67.7) ; v1(76.25,67.29) 76.65,67.29 v1(76.66,67.3)
  L3-S1 w0.254: v4(75.59,66.7) v4(75.59,67.11) 75.7,67.11 v3(75.89,67.3) v3(75.89,66.9)
  L3-S1 w0.305: v1(77.45,66.85) v1(77.45,67.26)
  L6-S2 w0.102: v1(76.25,67.7) 76.23,67.72 v1(76.23,68.1) ; 78.1,69.47 78.1,69.98 79.25,71.13 79.25,72.52 79.83,73.1 79.83,74.51 81.06,75.74 81.06,76.45 81.84,77.23 88.63,77.23 89.41,76.45 107.31,76.45 v1(111.12,80.26)
  L6-S2 w0.203: v1(76.23,68.1) 76.23,68.31 v1(76.4,68.48) 76.66,68.22 v1(76.66,68.12) v1(76.66,67.71) v1(76.66,67.3) v1(76.66,66.88) ; v4(75.59,66.7) 76.07,66.7 v1(76.25,66.88) 76.25,67.28 v1(76.25,67.29) 75.77,67.29 v4(75.59,67.11)
  L6-S2 w0.254: v4(75.59,66.7) v4(75.59,67.11)
  L8-S3 w0.203: v4(75.01,79.44) v4(75.01,79.04)
  L8-S3 w0.305: v1(76.66,67.3) v1(76.66,67.71) ; v1(76.66,67.3) 76.27,67.3 v1(76.25,67.29) ; v1(76.66,67.3) v1(76.66,66.88) 76.25,66.88 v1(76.25,66.88) ; v1(76.66,67.71) 76.26,67.71 v1(76.25,67.7) ; v1(76.66,67.71) v1(76.66,68.12) 76.4,68.37 ; v1(76.25,67.7) 76.25,67.7 v1(76.25,67.29) ; v1(76.25,67.7) 76.25,68.08 v1(76.23,68.1) 76.4,68.27 76.4,68.37 ; 76.4,68.37 v1(76.4,68.48) ; v1(76.25,67.29) 76.25,67.28 ; 76.25,67.28 76.05,67.08 75.62,67.08 v4(75.59,67.11) v4(75.59,66.7) 76.07,66.7 v1(76.25,66.88) ; 76.25,67.28 v1(76.25,66.88)
  L9-GND3 w0.305: v1(76.66,67.3) 76.27,67.3 v1(76.25,67.29) ; v1(76.66,67.3) v1(76.66,67.71) ; v1(76.66,67.3) v1(76.66,66.88) 76.25,66.88 v1(76.25,66.88) 76.25,68.08 v1(76.23,68.1) ; v1(76.66,68.12) 76.66,68.22 v1(76.4,68.48) 76.23,68.31 v1(76.23,68.1) ; v1(76.66,68.12) 76.25,68.12 v1(76.23,68.1) ; v1(76.66,68.12) v1(76.66,67.71) ; v1(76.66,67.71) 76.26,67.71 v1(76.25,67.7)
  vias: v2(92.34,79.4) v2(92.34,78.79) v2(93.87,79.4) v2(93.87,78.79) v2(95.52,79.4) v2(95.52,78.79) v2(112.78,82.44) v2(112.78,81.68) v2(112.78,80.92) v2(113.54,82.44) v2(113.54,81.68) v2(113.54,80.92) v2(114.3,82.44) v2(114.3,81.68) v2(114.3,80.92) v2(115.06,82.44) v2(115.06,81.68) v2(115.06,80.92) v2(115.82,82.44) v2(115.82,81.68) v2(115.82,80.92) v2(116.59,82.44) v2(116.59,81.68) v2(116.59,80.92) v2(117.35,82.44) v2(117.35,81.68) v2(117.35,80.92) v5(75.44,79.44) v5(75.44,79.24) v5(75.44,78.99) v5(75.69,79.44) v5(75.69,79.24) v5(75.69,78.99)
VDD_LOGIC_S0: length 120.2
  TOP w0.102: v2(119.59,77.2) 119.59,76.95 R2238.2 C2230.1 ; U2200.56 125.78,83.11 125.73,83.06 125.73,81.28 125.53,81.08 125.53,76.76 125.35,76.58 121.51,76.58 121.41,76.48 121.41,76.13 C2230.2 R2238.1 v1(120.01,74.55)
  TOP w0.203: v1(79.58,65.75) 79.94,65.75 v1(79.98,65.71) ; v1(79.58,65.75) 79.49,65.84 79.49,66.09 ; v1(79.58,65.75) 79.89,66.06 ; v1(79.58,65.75) 79.49,65.66 U1000.AF12 ; v1(79.58,65.75) 79.19,65.75 v1(79.17,65.74) ; 78.69,66.5 78.69,66.7 78.49,66.9 U1000.AK15 U1000.AJ15 ; 78.69,66.5 U1000.AH14 ; 78.69,66.5 U1000.AJ15 ; v3(71.49,66.5) 71.32,66.67 v1(71.32,66.85) ; U1000.AH11 U1000.AH12 ; U1000.AH11 79.89,66.06 ; U1000.AH11 U1000.AH12 ; U1000.AH12 79.49,66.09 ; U1000.AH12 U1000.AH13 ; U1000.AH12 U1000.AH13 ; 79.89,66.06 79.89,65.85 79.98,65.76 v1(79.98,65.71) ; 79.17,65.76 v1(79.17,65.74) ; 79.17,65.76 79.17,65.77 79.49,66.09 ; 79.17,65.76 79.09,65.84 U1000.AH13 ; v1(79.17,65.74) 79.09,65.66 U1000.AF13 ; v1(79.17,65.74) v1(78.74,65.74) ; U1000.AJ15 U1000.AH15 U1000.AH14 ; v1(78.74,65.74) v1(78.74,65.33) 78.77,65.3 U1000.AF13 ; v1(78.74,65.74) 78.74,65.76 78.69,65.81 U1000.AH14 ; U1000.AL31 71.77,67.3 v1(71.32,66.85) ; U1000.Y33 70.76,62.9 70.74,62.88 70.74,62.88 v1(70.67,62.82) 70.67,62.77 70.69,62.74 70.69,62.73 70.92,62.5 U1000.W33 ; v3(71.89,66.5) 71.89,66.65 71.69,66.85 v1(71.32,66.85) ; U1000.AF12 U1000.AF13 ; U1000.AF12 79.89,65.3 79.89,65.55 79.98,65.64 v1(79.98,65.71) ; U1000.AH13 U1000.AH14 ; U1000.AH13 U1000.AH14 ; v3(74.69,66.1) v3(75.09,66.1) ; U1000.J27 73.37,58.5 v1(73.18,58.31) 73.39,58.1 U1000.H27
  L2-GND1 w0.254: v1(79.17,65.74) 78.77,65.33 v1(78.74,65.33)
  L2-GND1 w0.305: v1(78.74,65.33) v1(78.74,65.74) v1(79.17,65.74) 79.57,65.74 v1(79.58,65.75) 79.94,65.75 v1(79.98,65.71)
  L3-S1 w0.203: v1(78.74,65.33) 78.77,65.33 v1(79.17,65.74) ; v3(71.89,66.5) 71.89,66.82 v4(71.76,66.95) ; v3(71.49,66.5) 71.62,66.63 71.62,66.81 71.67,66.85 ; v3(75.09,66.1) 75.09,66.28 v4(74.98,66.4) 74.69,66.11 v3(74.69,66.1) v3(75.09,66.1)
  L3-S1 w0.254: v4(71.76,66.95) 71.67,66.85 v1(71.32,66.85)
  L3-S1 w0.305: v1(78.74,65.33) v1(78.74,65.74) v1(79.17,65.74) 79.57,65.74 v1(79.58,65.75) 79.94,65.75 v1(79.98,65.71)
  L5-POWER2 w0.102: v1(79.17,65.74) 78.8,65.36 78.8,64.96 79.2,64.57 81.99,64.57
  L6-S2 w0.254: v1(78.74,65.74) 78.77,65.76 79.15,65.76 v1(79.17,65.74)
  L8-S3 w0.102: 82.55,68.82 81.79,69.58 81.79,70.48 ; 81.91,64.9 82.36,64.9 82.74,65.28 84.45,65.28 84.71,65.53 84.71,67.18 84.96,67.44 84.96,71.12 85.98,72.14 85.98,72.14 87.13,73.28 118.74,73.28 v1(120.01,74.55)
  L8-S3 w0.203: v5(74.83,66.12) 74.98,66.27 v4(74.98,66.4) 74.96,66.4 74.88,66.32 74.73,66.32 v5(74.65,66.24) ; v4(71.76,66.95) 71.76,66.81 v6(71.63,66.67) 71.45,66.85 v1(71.32,66.85)
  L9-GND3 w0.254: 70.69,59.23 70.94,58.98 71.78,58.98 72.16,58.6 72.9,58.6 v1(73.18,58.31) ; v1(71.32,66.85) 71.45,66.85 v6(71.63,66.67) 71.35,66.4 71.32,66.4
  L9-GND3 w0.305: v1(79.98,65.71) 79.94,65.75 v1(79.58,65.75) 79.57,65.74 v1(79.17,65.74) ; v5(74.65,66.24) 74.7,66.24 v5(74.83,66.12) ; 69.96,61.34 69.96,61.32 69.72,61.09 ; v1(79.17,65.74) 78.77,65.33 v1(78.74,65.33) v1(78.74,65.74) v1(79.17,65.74) ; 68.71,61.59 69.85,61.59 ; 69.85,61.59 70.21,61.59 ; 69.85,61.59 70.03,61.41 ; 68.58,60.33 68.58,61.34 68.97,61.34 68.97,59.94
  L9-GND3 w0.381: v1(70.67,62.82) 70.67,62.45 70.34,62.12 70.34,61.72 69.96,61.34 68.97,61.34 68.45,61.86 ; 70,65.41 70.33,65.41 71.32,66.4 v1(71.32,66.85)
  L9-GND3 w0.635: 70.69,59.23 70.23,59.69 69.21,59.69 69.09,59.82 ; 67.9,62.41 68.45,61.86
  L9-GND3 w0.762: 70,65.41 69.11,65.41 67.9,64.19 67.9,62.41 ; 68.97,59.94 69.09,59.82
  BOTTOM w0.203: v1(79.17,65.74) 78.77,65.33 v1(78.74,65.33) ; C1021.1 73.15,57.91 73.15,58.28 v1(73.18,58.31)
  BOTTOM w0.254: 78.76,65.76 78.78,65.78
  BOTTOM w0.279: v1(70.67,62.82) 70.44,63.05 C1023.1
  BOTTOM w0.305: C1017.1 71.63,66.58 71.36,66.85 v1(71.32,66.85) ; 79.55,65.72 v1(79.58,65.75) ; v1(78.74,65.33) v1(78.74,65.74)
  BOTTOM w0.381: v1(79.98,65.71) 79.91,65.78 78.78,65.78
  vias: v2(92.34,75.21) v2(92.34,74.68) v2(93.87,75.21) v2(93.87,74.68) v2(118.59,78.72) v2(118.59,78.2) v2(118.59,77.7) v2(118.59,77.2) v2(119.09,78.72) v2(119.09,78.2) v2(119.09,77.7) v2(119.09,77.2) v2(119.59,78.72) v2(119.59,78.2) v2(119.59,77.7) v2(120.09,78.72) v2(120.09,78.2) v2(120.09,77.7) v2(120.09,77.2)
